# Altium PCB STM32F103最小系统板.PcbDoc (part 1 of 2) (continued)
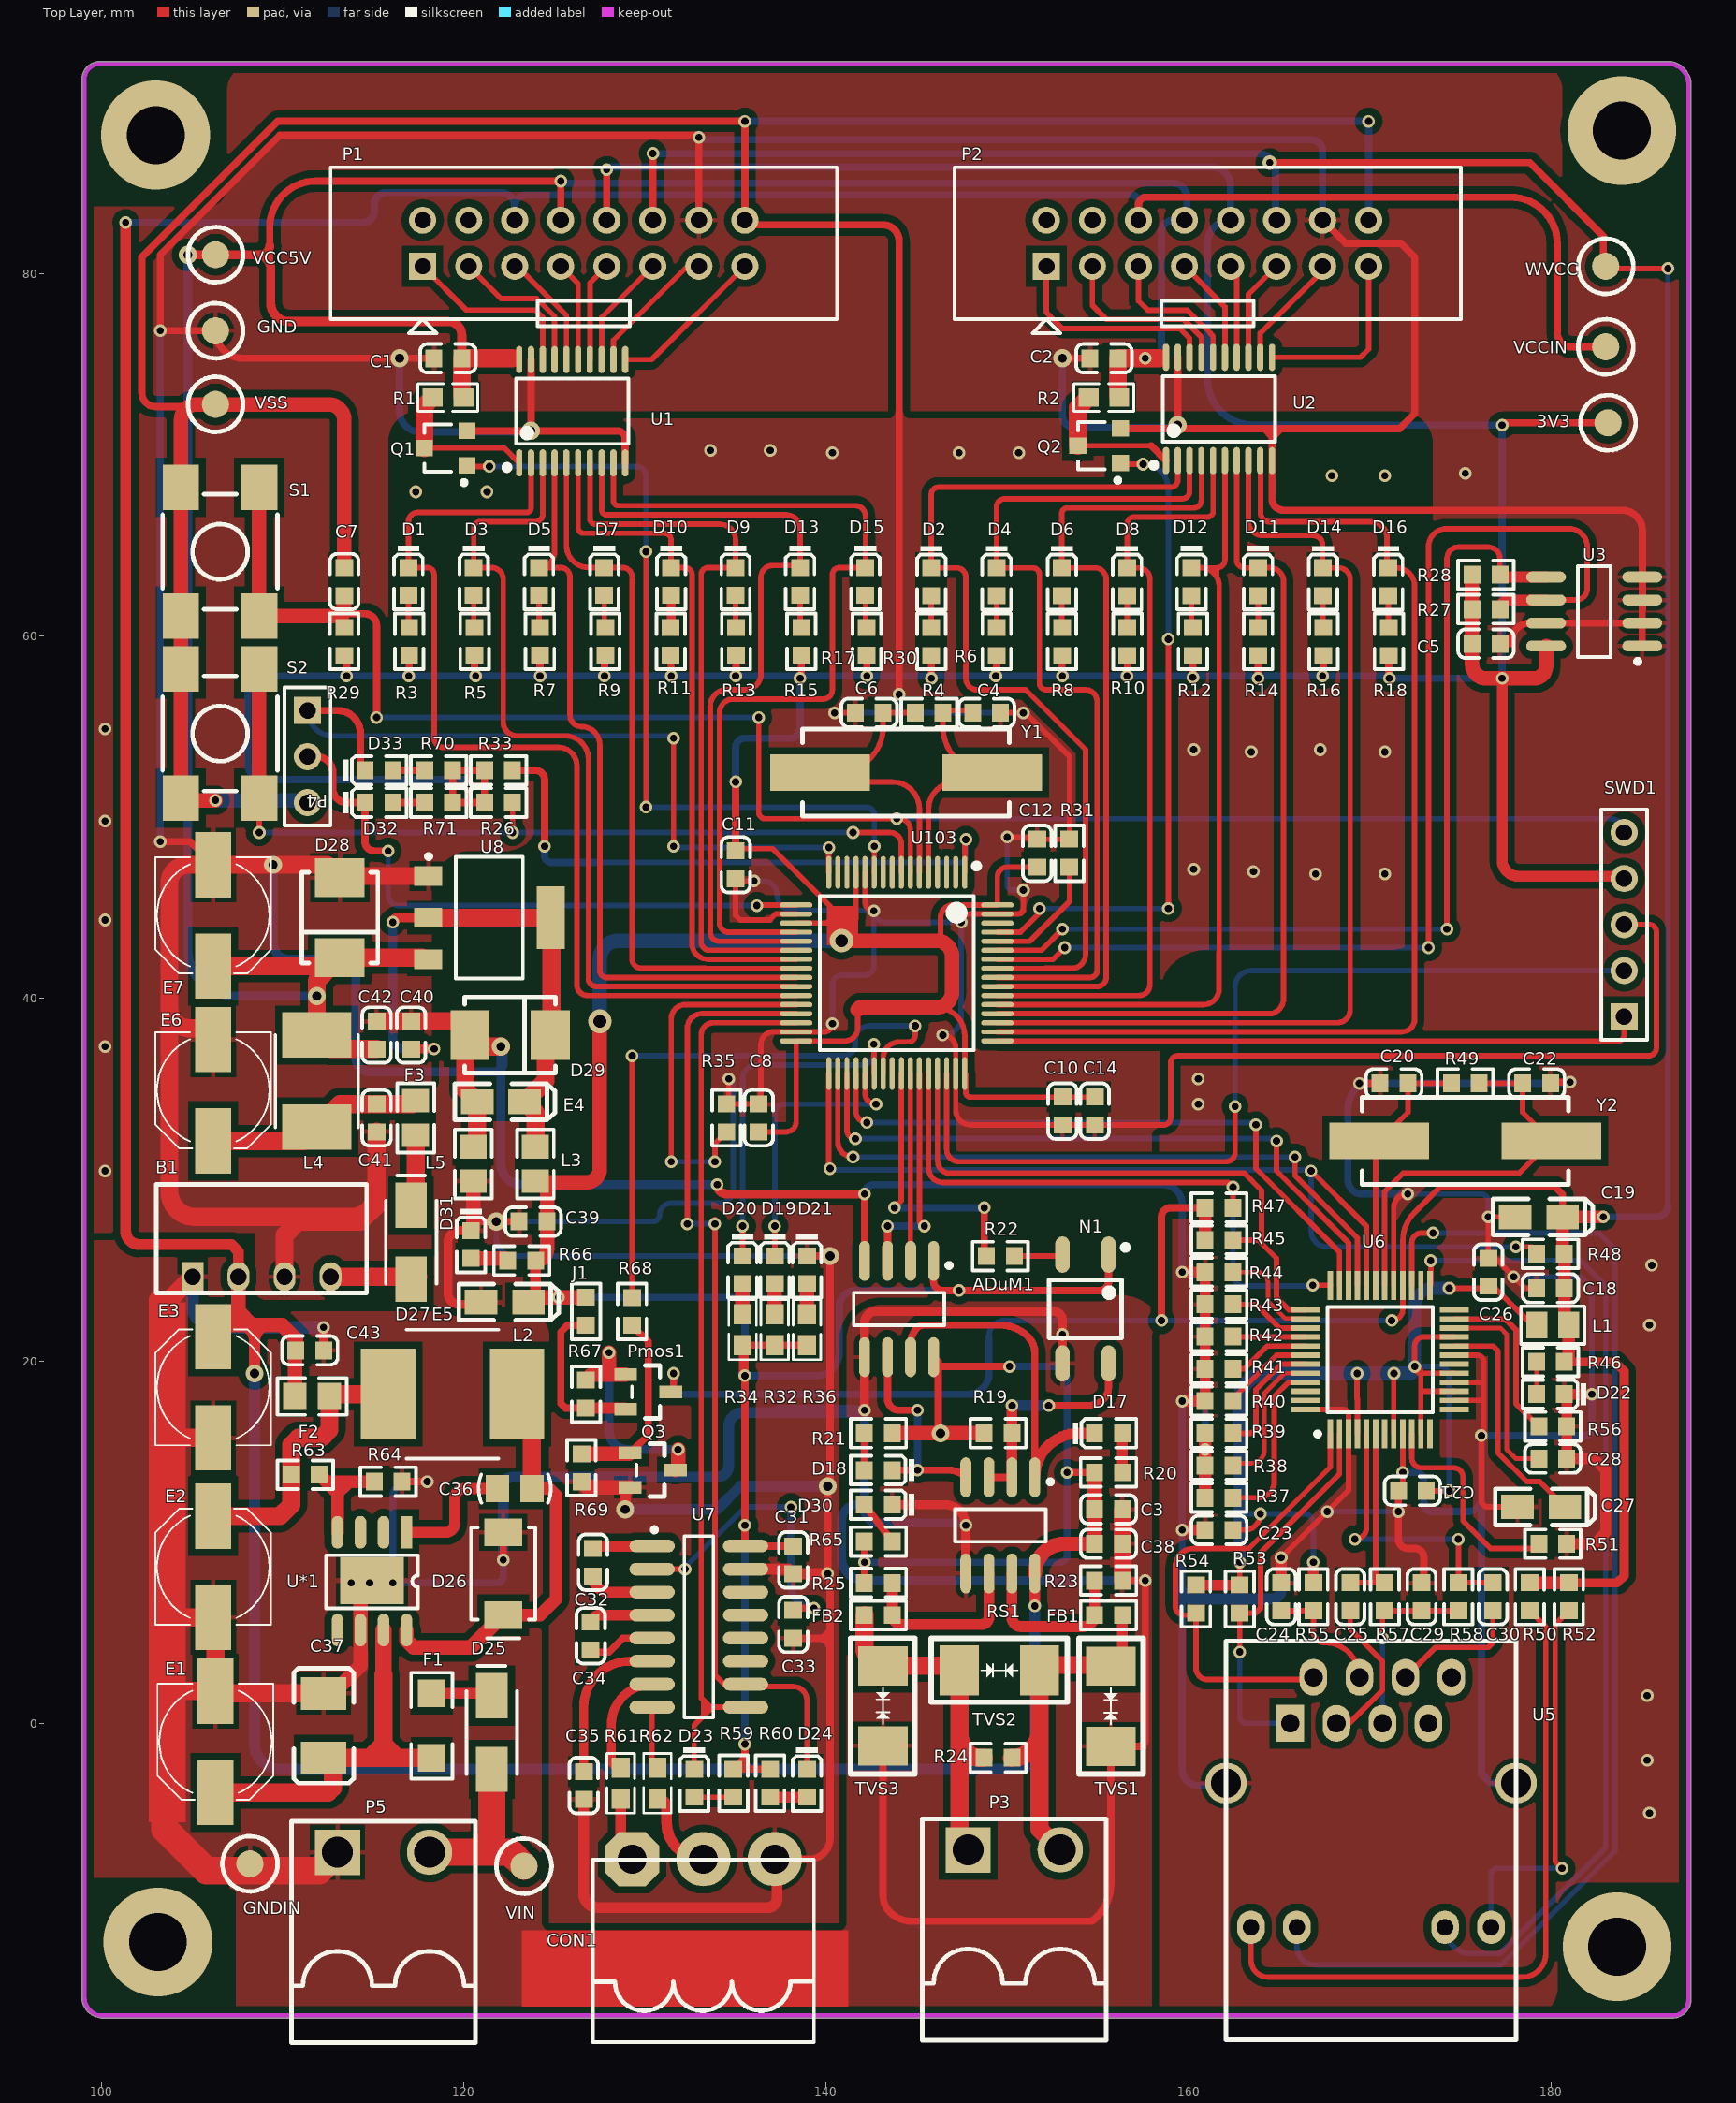
[diagram p0: Top Layer view]
## Footprints (in the part's own frame and the unit in brackets; to place one, negate y for a bottom-side part, rotate by r counter-clockwise, add the part's x,y. Pads: shape width x height; smd on the part's side, far side on the other; paste and mask are expansions set on the pad)
0603-1 [mm] "0603带丝印"
  rect 1.1x1 smd: 1(-0.85,0) 2(0.85,0)
  silkscreen extent -1.65,-0.76 1.65,0.76, body extent -0.8,-0.4 0.8,0.4, height 0.3
0805-1 [mm] "0805带丝印"
  rect 1.3x1.5 smd: 1(-0.95,0) 2(0.95,0)
  silkscreen extent -1.91,-1.02 1.91,1.02, body extent -1,-0.62 1,0.63, height 0.5
1206 [mil] "贴片元件"
  rect 60x60 smd: 1(-70,0) 2(70,0)
  silkscreen extent -115,-45 115,45, body extent -75,-35 75,35, height 39
B0505D-1WR2 [mm]
  rect 1.2x1.6 hole 0.9: 1(0,0)
  oval 1.2x1.6 hole 0.9: 2(2.54,0) 3(5.08,0) 4(7.62,0)
  silkscreen extent -1.99,-0.9 9.61,5.1
C-0805 [mm] "贴片电容"
  rect 1.3x1.5 smd: 1(-0.95,0) 2(0.95,0)
  silkscreen extent -2,-0.79 2,0.79, body extent -1,-0.6 1,0.6, height 0.95
C-1210 [mm] "贴片电容"
  rect 1.8x2.5 smd: 1(1.778,0) 2(-1.778,0)
  silkscreen extent -3.17,-1.65 3.17,1.65
C-RB-SD6 [mm] "贴片铝电解"
  rect 3.6x2 smd: 1(-2.794,0) 2(2.794,0)
  silkscreen extent -3.2,-3.2 3.2,3.2
CHECK-B [mm] "测试点"
  round 1.5 smd: 1(0,0)
  silkscreen extent -1.52,-1.52 1.52,1.52
D-SMA [mm] "贴片二极管"
  rect 2.5x1.75 smd: 1(-2.032,0) 2(2.032,0)
  silkscreen extent -2.29,-1.4 3.68,1.4
D-SMB [mil] "DO-214-AA/SMB;"
  rect 60x83 smd: 1(-90,0) 2(90,0)
  silkscreen extent -100,-70 140,70
DC3-16P-2.54mm [mm] "简易牛角座直"
  rect 1.5x1.5 hole 0.9: 1(8.89,1.27)
  round 1.5 hole 0.9: 2(8.89,-1.27) 3(6.35,1.27) 4(6.35,-1.27) 5(3.81,1.27) 6(3.81,-1.27) 7(1.27,1.27) 8(1.27,-1.27) 9(-1.27,1.27) 10(-1.27,-1.27) 11(-3.81,1.27) 12(-3.81,-1.27) 13(-6.35,1.27) 14(-6.35,-1.27) 15(-8.89,1.27) 16(-8.89,-1.27)
  silkscreen extent -13.97,-4.19 13.97,4.95
HDR1X5 [mm] "Connector; Header; 5 Position"
  rect 1.5x1.5 hole 0.9: 1(0,0)
  round 1.5 hole 0.9: 2(2.54,0) 3(5.08,0) 4(7.62,0) 5(10.16,0)
  silkscreen extent -1.27,-1.27 11.43,1.27
HDR3X1-2.54 [mm] "2.54单排针排座"
  rect 1.5x1.5 hole 0.9: 1(0,0)
  round 1.5 hole 0.9: 2(2.54,0) 3(5.08,0)
  silkscreen extent -1.27,-1.27 6.35,1.27, body extent -1.27,-1.27 6.35,1.27, height 8.54
HR911105A [mil]
  rect 80x60 hole 40: 1(-130,-490)
  oval 80x60 hole 40: 2(-230,-440) 3(-130,-390) 4(-230,-340) 5(-130,-290) 6(-230,-240) 7(-130,-190) 8(-230,-140)
  oval 72x60 hole 36: 9(312.91,-575.63) 10(312.91,-476) 11(312.91,-154.13) 12(312.91,-54)
  round 90 hole 65: 13(-0.08,-629.76) 14(-0.08,0.16)
  silkscreen extent -309,-630 557,0
L-SMD-3 [mm] "贴片电感3.8"
  rect 2.5x3.8 smd: 1(-2.54,0) 2(2.54,0)
  silkscreen extent -2.54,-2.29 2.54,2.29, body extent -2.54,-1.91 2.54,1.91, height 4
L-SMD-7 [mm] "贴片电感7*7"
  rect 3x5 smd: 1(-3.556,0) 2(3.556,0)
  silkscreen extent -2.54,-3.56 2.54,3.56, body extent -3.56,-3.56 3.56,3.56, height 4
LC-0603_C [mm]
  rect 0.93x0.98 smd: 1(-0.77,0) 2(0.77,0)
  silkscreen extent -1.53,-0.79 1.54,0.79, body extent -0.8,-0.4 0.8,0.4, height 0.3
LC-0603_L [mm]
  rect 0.93x0.98 smd: 1(-0.77,0) 2(0.77,0)
  silkscreen extent -1.53,-0.79 1.54,0.79, body extent -0.82,-0.41 0.83,0.41, height 0.46
LC-0603_LED_S1 [mm]
  rect 0.93x0.98 smd: A(0.77,0) K(-0.77,0)
  silkscreen extent -1.97,-0.79 1.54,0.79, body extent -0.8,-0.4 0.8,0.4, height 0.6
LC-0603_R [mm]
  rect 0.93x0.98 smd: 1(-0.77,0) 2(0.77,0)
  silkscreen extent -1.53,-0.79 1.54,0.79, body extent -0.85,-0.4 0.85,0.4, height 0.56
LC-0805_L [mm]
  rect 1.16x1.47 smd: 1(-0.875,0) 2(0.875,0)
  silkscreen extent -1.75,-1.03 1.75,1.04, body extent -1,-0.64 1,0.64, height 0.6
LC-CASE-A_3216 [mm]
  rect 1.8x1.35 smd: 1(1.31,0) 2(-1.31,0)
  silkscreen extent -2.54,-1 2.97,1, body extent -1.7,-0.84 1.7,0.84, height 1.71
LC-HC-49SMD [mm]
  rect 5.5x2 smd: 1(-4.75,0) 2(4.75,0)
  silkscreen extent -5.7,-2.4 5.7,2.4, body extent -6.7,-2.46 6.7,2.44, height 4
LC-LQFP-64_10x10x05P [mm]
  oval 0.28x1.8 smd mask+0.051: 1(-3.75,-5.55) 2(-3.25,-5.55) 3(-2.75,-5.55) 4(-2.25,-5.55) 5(-1.75,-5.55) 6(-1.25,-5.55) 7(-0.75,-5.55) 8(-0.25,-5.55) 9(0.25,-5.55) 10(0.75,-5.55) 11(1.25,-5.55) 12(1.75,-5.55) 13(2.25,-5.55) 14(2.75,-5.55) 15(3.25,-5.55) 16(3.75,-5.55) 33(3.75,5.55) 34(3.25,5.55) 35(2.75,5.55) 36(2.25,5.55) 37(1.75,5.55) 38(1.25,5.55) 39(0.75,5.55) 40(0.25,5.55) 41(-0.25,5.55) 42(-0.75,5.55) 43(-1.25,5.55) 44(-1.75,5.55) 45(-2.25,5.55) 46(-2.75,5.55) 47(-3.25,5.55) 48(-3.75,5.55)
  oval 1.8x0.28 smd mask+0.051: 17(5.55,-3.75) 18(5.55,-3.25) 19(5.55,-2.75) 20(5.55,-2.25) 21(5.55,-1.75) 22(5.55,-1.25) 23(5.55,-0.75) 24(5.55,-0.25) 25(5.55,0.25) 26(5.55,0.75) 27(5.55,1.25) 28(5.55,1.75) 29(5.55,2.25) 30(5.55,2.75) 31(5.55,3.25) 32(5.55,3.75) 49(-5.55,3.75) 50(-5.55,3.25) 51(-5.55,2.75) 52(-5.55,2.25) 53(-5.55,1.75) 54(-5.55,1.25) 55(-5.55,0.75) 56(-5.55,0.25) 57(-5.55,-0.25) 58(-5.55,-0.75) 59(-5.55,-1.25) 60(-5.55,-1.75) 61(-5.55,-2.25) 62(-5.55,-2.75) 63(-5.55,-3.25) 64(-5.55,-3.75)
  silkscreen extent -4.55,-6.05 4.25,4.25
LC-SMB(DO-214AA)_S1 [mm]
  rect 2.159x2.743 smd: 1(2.21,0) 2(-2.21,0)
  silkscreen extent -2.5,-2.1 2.5,2.1
lc-sop-4_P2.54 [mm]
  oval 2x0.8 smd: 1(-3,1.27) 2(-3,-1.27) 3(3,-1.27) 4(3,1.27)
  silkscreen extent -3.55,-2 1.6,2.35
LC-SOT-23(SOT-23-3) [mm]
  rect 1.25x0.7 smd: 1(1.25,-0.95) 2(1.25,0.95) 3(-1.25,0)
  silkscreen extent -0.65,-1.46 0.9,1.46, body extent -1.5,-1.5 1.5,1.5, height 1.3
LC-TSSOP-20 [mm]
  oval 0.35x1.5 smd: 1(-2.925,-2.85) 2(-2.275,-2.85) 3(-1.625,-2.85) 4(-0.975,-2.85) 5(-0.325,-2.85) 6(0.325,-2.85) 7(0.975,-2.85) 8(1.625,-2.85) 9(2.275,-2.85) 10(2.925,-2.85) 11(2.925,2.85) 12(2.275,2.85) 13(1.625,2.85) 14(0.975,2.85) 15(0.325,2.85) 16(-0.325,2.85) 17(-0.975,2.85) 18(-1.625,2.85) 19(-2.275,2.85) 20(-2.925,2.85)
  silkscreen extent -3.75,-3.25 3.1,1.8
LQFP48 [mm]
  rect 0.3x1.6 smd: 1(2.75,4.1) 2(2.25,4.1) 3(1.75,4.1) 4(1.25,4.1) 5(0.75,4.1) 6(0.25,4.1) 7(-0.25,4.1) 8(-0.75,4.1) 9(-1.25,4.1) 10(-1.75,4.1) 11(-2.25,4.1) 12(-2.75,4.1) 25(-2.75,-4.1) 26(-2.25,-4.1) 27(-1.75,-4.1) 28(-1.25,-4.1) 29(-0.75,-4.1) 30(-0.25,-4.1) 31(0.25,-4.1) 32(0.75,-4.1) 33(1.25,-4.1) 34(1.75,-4.1) 35(2.25,-4.1) 36(2.75,-4.1)
  rect 1.6x0.3 smd: 13(-4.1,2.75) 14(-4.1,2.25) 15(-4.1,1.75) 16(-4.1,1.25) 17(-4.1,0.75) 18(-4.1,0.25) 19(-4.1,-0.25) 20(-4.1,-0.75) 21(-4.1,-1.25) 22(-4.1,-1.75) 23(-4.1,-2.25) 24(-4.1,-2.75) 37(4.1,-2.75) 38(4.1,-2.25) 39(4.1,-1.75) 40(4.1,-1.25) 41(4.1,-0.75) 42(4.1,-0.25) 43(4.1,0.25) 44(4.1,0.75) 45(4.1,1.25) 46(4.1,1.75) 47(4.1,2.25) 48(4.1,2.75)
  silkscreen extent -2.9,-2.9 3.57,4.22
SOIC8 [mm]
  rect 1.8x0.65 smd: 1(0,0)
  oval 1.8x0.65 smd: 2(0,-1.27) 3(0,-2.54) 4(0,-3.81) 5(5.4,-3.81) 6(5.4,-2.54) 7(5.4,-1.27) 8(5.4,0)
  rect 2.6x3.51 smd: 9(2.667,-1.905)
  silkscreen extent 1.27,-4.44 4.19,0.64
SOIC-8 [mm]
  oval 2.2x0.6 smd: 1(-2.654,1.905) 2(-2.654,0.635) 3(-2.654,-0.635) 4(-2.654,-1.905) 5(2.654,-1.905) 6(2.654,-0.635) 7(2.654,0.635) 8(2.654,1.905)
  silkscreen extent -2.52,-2.5 0.9,2.88, body extent -3,-2.45 3,2.45, height 1.7
SOIC-16 [mm]
  oval 2.5x0.7 smd: 1(-2.577,4.445) 2(-2.577,3.175) 3(-2.577,1.905) 4(-2.577,0.635) 5(-2.577,-0.635) 6(-2.577,-1.905) 7(-2.577,-3.175) 8(-2.577,-4.445) 9(2.577,-4.445) 10(2.577,-3.175) 11(2.577,-1.905) 12(2.577,-0.635) 13(2.577,0.635) 14(2.577,1.905) 15(2.577,3.175) 16(2.577,4.445)
  silkscreen extent -2.57,-5 0.8,5.47, body extent -2.88,-4.92 2.92,4.88, height 1.75
SOT23-3 [mm]
  rect 0.9x0.95 smd: 1(-0.95,-1.175) 2(0.95,-1.175) 3(0,1.175)
  silkscreen extent -2.03,-1.14 1.3,1.18, body extent -1.45,-1.4 1.45,1.4, height 1.2
SOT223 [mm]
  rect 1.1x1.55 smd: 1(-2.3,-3.375) 2(0,-3.375) 3(2.3,-3.375)
  rect 3.45x1.55 smd: 4(0,3.375)
  silkscreen extent -3.5,-3.48 3.35,1.85, body extent -3.25,-3.48 3.25,3.48, height 1.7
SW_PB4_A1 [mm]
  rect 2.5x2 smd: 1(-3.556,2.159) 2(-3.556,-2.159) 3(3.556,-2.159) 4(3.556,2.159)
  silkscreen extent -3.17,-3.17 3.17,3.17, body extent -3.18,-3.18 3.18,3.18, height 6
TVS [mil]
  rect 85x107.99 smd: 1(0.98,0) 2(175,0)
  silkscreen extent -60,-69 235,70
VH3.96-W-3P [mm]
  oct 3x3 hole 1.6: 1(0,0)
  round 3 hole 1.6: 2(3.937,0) 3(7.874,0)
  silkscreen extent -2.16,-10.11 10.03,-0.03
WJ2EDGR508-2 [mm]
  rect 2.5x2.5 hole 1.7: 1(0,0)
  round 2.5 hole 1.7: 2(5.08,0)
  silkscreen extent -2.54,-10.5 7.62,1.7

## Part data
3V3 GND GNDIN VCC5V VCCIN VIN VSS WVCC: "测试点"
C1 C2 C4 C6 C7 C18 C20 C22 C38 C43: library part Cap, "Capacitor"
C3: library part CAP
C5 C8 C10 C11 C12 C14 C21 C23 C24 C25 C26 C28 C29 C30 C31 C32 C33 C34 C35 C36 C37 C39 C40 C41 C42: library part CAP, "Capacitor"
C19 C27: library part "Cap Pol3", "Polarized Capacitor (Surface Mount)"
CON1: "Connector"
D1 D2 D3 D4 D5 D6 D7 D8 D9 D10 D11 D12 D13 D14 D15 D16 D22: library part "0603 蓝灯", "发光二极管"
D17 D18 D19 D20 D21 D23 D24 D31 D32 D33: library part "0603 绿灯", "发光二极管"
D25 D27: library part Diode, "二极管"
D26: "稳压二极管"
D28 D29: library part ZENER3, "Zener Diode"
D30: library part "0603 红灯", "发光二极管"
E1 E2 E3 E4 E5 E6 E7: library part ELECTRO2, "Electrolytic Capacitor"
F1: "可恢复保险丝"
F2 F3: library part "Fuse 1", "Fuse"
FB1 FB2 R26 R27 R28 R29 R30 R37 R38 R39 R40 R41 R42 R43 R44 R45 R46 R47 R48 R49 R50 R51 R52 R53 R54 R55 R56 R57 R58 R61 R62 R66 R67 R70 R71: library part Res2, "Resistor"
J1 R23 R24 R25 R68 R69: library part RES
L1: library part Inductor, "Inductor"
L2 L3 L4 L5: "电感"
N1: library part ST188, "反射式光电传感器"
P1 P2 P4: "接插件"
P3 P5: "Header, 2-Pin"
Pmos1: library part N-MOS
Q1 Q2: library part NPN1, "贴片三极管"
Q3: library part NPN
R1 R2: "贴片电阻"
R3 R4 R5 R6 R7 R8 R9 R10 R11 R12 R13 R14 R15 R16 R17 R18 R65: library part "0603 1.5KΩ (1501) 1%", "贴片电阻"
R19 R20 R21 R22 R31 R35 R59 R60 R63 R64: library part RES2
R32 R33 R34 R36: library part R, "贴片电阻"
S1 S2: library part SW-, "微动开关"
SWD1: "Header, 5-Pin"
TVS1 TVS2 TVS3: library part TVS, "TVS"
U1 U2: library part 7
U3: library part AT2, "EEROM存储器"
U6: "W5500以太网芯片"
U7: library part MAX232, "+5V Powered, Multi-Channel RS-232 Driver/Receiver"
U8: library part ASM1, "3.3V稳压芯片"
U103: library part STM32F103RBT6
Y1 Y2: library part XTAL, "Crystal Oscillator"

## Via types
v1: diameter 0.7, hole 0.4, Top Layer to Bottom Layer, 192 vias
v2: diameter 1, hole 0.5, Top Layer to Bottom Layer, 14 vias
v3: diameter 6, hole 3.2, Top Layer to Bottom Layer, 4 vias
v4: diameter 1.3, hole 0.7, Top Layer to Bottom Layer, 2 vias
v5: diameter 0.8, hole 0.4, Top Layer to Bottom Layer, 1 vias

## Nets (pads, with @x,y where several pads share a name; then routed paths per layer and width w, separated by ;. In a path a pad name is that pad's centre, name@x,y a point inside that pad or via, vN(x,y) a via of type N, cw(c..) or ccw(c..) an arc to the next point about the centre after c; other vN are vias at no path point)
3V3: 3V3.1 ADuM1.1 C5.1 C8.2 C10.2 C11.2 C12.2 C14.2 C31.2 C39.2 E5.1 J1.2 L3.2 N1.1 P1.10 P2.10 R3.1 R4.1 R5.1 R6.1 R7.1 R8.1 R9.1 R10.1 R11.1 R12.1 R13.1 R14.1 R15.1 R16.1 R17.1 R18.1 R26.1 R27.1 R28.1 R29.2 R32.1 R33.2 R34.1 R36.2 R59.2 R60.1 R66.1 R70.1 R71.1 SWD1.4 U3.8 U7.16 U103.13 U103.19 U103.32 U103.48 U103.64 | length 429.4
  Top Layer w0.3: C11.2@135.001,48.014 135.247,48.26 137.033,48.26 140.208,45.085 140.208,44.323 140.081,44.196 ; C8.2@136.271,32.631 137.795,32.631 137.795,32.639 ccw(c137.795,33.185) 138.341,33.185 U103.32@138.341,37.652 141.03,37.652 ccw(c141.03,38.354) 141.732,38.354 141.732,39.37 ; U103.19@138.341,44.152 140.037,44.152 ; v4(140.843,43.18) 140.843,43.346 ccw(c140.037,43.346) 140.037,44.152 ; 141.605,43.18 141.605,44.346 ; U103.13@141.641,46.952 141.641,44.958 ; 146.072,39.497 cw(c146.072,37.928) 147.641,37.928 U103.48@147.641,35.852 cw(c147.641,35.792) 147.701,35.792 147.701,34.798 ccw(c147.947,34.798) 147.947,34.552 C10.2@153.035,34.552 C14.2@154.813,34.552 ; 146.072,43.18 ccw(c146.072,43.412) 146.304,43.412 146.304,44.45 cw(c147.006,44.45) 147.006,45.152 U103.64@149.441,45.152 149.441,46.698 cw(c149.979,46.698) 149.979,47.236 C12.2@151.638,47.236 ; 140.037,44.152 cw(c140.081,44.152) 140.081,44.196 ; 140.037,44.152 140.081,44.196 ; 140.081,44.196 141.351,44.196 ccw(c141.351,44.486) 141.605,44.346 ; 141.605,44.346 ccw(c141.351,44.486) 141.641,44.486 141.641,44.958 ; 141.605,44.346 141.605,44.922 cw(c141.641,44.922) 141.641,44.958
  Top Layer w0.4: R29.2@113.411,58.92 113.538,58.793 v1(113.538,57.785) ; v1@116.988,57.679 R3.1@116.988,58.928 ; v1@120.595,57.713 R5.1@120.595,58.928 ; v1@124.202,57.785 R7.1@124.202,58.928 ; v1(127.762,57.785) 127.762,58.882 R9.1@127.809,58.928 ; P1.10@127.889,82.931 cw(c127.889,83.058) 127.762,83.058 127.889,83.185 v1(127.889,85.725) ; R11.1@131.415,58.928 v1(131.445,57.785) ; C11.2@135.001,48.141 v1(135.001,51.943) ; v1@135.022,57.806 R13.1@135.022,58.928 ; v1(135.509,-1.143) 135.509,-1.897 ; R60.1@136.906,-2.532 136.017,-2.532 ; C31.2@138.168,9.779 U7.16@135.546,9.779 cw(c135.546,9.816) 135.509,9.816 v1(135.509,10.922) v1(135.509,19.177) ; v1@138.629,57.73 R15.1@138.629,58.928 ; R36.2@138.938,20.867 R32.1@137.16,20.867 R34.1@135.382,20.867 ; v1@142.236,57.785 R17.1@142.236,58.928 ; v1(145.796,57.658) R4.1@145.796,58.92 ; ADuM1.1@145.923,25.514 145.923,24.384 ccw(c146.431,24.384) 146.431,23.876 v1(147.32,23.876) 155.067,23.876 ccw(c155.067,24.384) 155.575,24.384 N1.1@155.575,25.86 ; v1(149.352,57.785) 149.403,57.836 R6.1@149.403,58.92 ; v1@153.01,57.81 R8.1@153.01,58.92 ; v1@156.616,57.81 R10.1@156.616,58.92 ; v1(160.223,57.709) R12.1@160.223,58.92 ; v1(163.83,57.658) R14.1@163.83,58.92 ; v1@167.437,57.836 R16.1@167.437,58.92 ; v1@171.044,57.683 R18.1@171.044,58.92 ; v1(177.292,71.628) cw(c177.419,71.628) 177.419,71.755 3V3.1@183.134,71.755 ; 119.388,51.689 R71.1@119.388,52.578 120.269,52.578 ; 119.388,51.689 R70.1@119.388,50.8 120.269,50.8 ; 119.388,51.689 v1(120.269,51.689) ; 120.269,50.8 R33.2@121.15,50.8 121.15,51.689 ; 120.269,50.8 v1(120.269,51.689) ; v1(120.269,51.689) 121.15,51.689 ; v1(120.269,51.689) 120.269,52.578 ; 120.269,52.578 R26.1@121.15,52.578 121.15,51.689 ; R34.1@135.382,20.867 cw(c135.382,20.74) 135.509,20.74 v1(135.509,19.177) ; R34.1@135.382,20.867 135.382,19.304 ccw(c135.509,19.304) v1(135.509,19.177) ; 135.509,-2.532 136.017,-2.532 ; 135.509,-2.532 135.509,-2.024 ; 135.509,-2.532 R59.2@134.874,-2.532 135.509,-1.897 ; 135.509,-2.024 ccw(c136.017,-2.024) 136.017,-2.532 ; 135.509,-2.024 135.509,-1.897
  Top Layer w0.6: E5.1@123.968,23.638 R66.1@123.968,25.527 ; v1(177.292,57.658) 177.292,47.625 ccw(c178.181,47.625) 178.181,46.736 183.896,46.736 cw(c183.896,46.609) SWD1.4@184.023,46.609
  Top Layer w0.8: E5.1@123.698,23.495 v1(125.222,23.495) J1.2@126.5,23.495 ; R66.1@123.968,25.527 ccw(c123.968,26.154) 124.595,26.154 C39.2@124.595,27.686 124.595,29.268 ccw(c123.952,29.268) L3.2@124.236,29.845 ; L3.2@124.363,29.718 L3.2@124.236,29.845 ; v4(127.508,38.735) 127.508,30.607 cw(c126.746,30.607) 126.746,29.845 L3.2@124.236,29.845 ; v4(140.843,43.18) 141.605,43.18 146.072,43.18 cw(c146.072,42.313) 146.939,42.313 146.939,40.364 cw(c146.072,40.364) 146.072,39.497 141.859,39.497 141.732,39.37 ; R28.1@175.633,63.373 C5.1@175.633,59.563 175.633,58.428 ccw(c176.403,58.428) 176.403,57.658 v1(177.292,57.658) 179.07,57.658 ccw(c179.07,58.306) 179.718,58.306 U3.8@179.718,59.436 ; L3.2@123.952,29.911 cw(c123.952,29.268) L3.2@124.236,29.845 ; L3.2@123.952,29.911 ccw(c124.018,29.911) L3.2@124.018,29.845 ; L3.2@123.952,29.911 ccw(c124.018,29.911) L3.2@124.018,29.845 ; L3.2@124.018,29.845 L3.2@124.236,29.845
  Bottom Layer w0.4: v1@113.411,57.912 cw(c113.411,57.785) v1(113.538,57.785) ; v1(120.269,51.689) ccw(c119.888,51.689) 119.888,52.07 108.966,52.07 cw(c108.966,52.959) 108.077,52.959 108.077,56.769 cw(c109.093,56.769) 109.093,57.785 v1(113.538,57.785) ; v1(125.222,23.495) 134.874,23.495 cw(c134.874,22.86) 135.509,22.86 v1(135.509,19.177) 139.446,19.177 ccw(c139.446,20.447) 140.716,20.447 140.716,22.987 cw(c141.605,22.987) 141.605,23.876 v1(147.32,23.876) ; v1(127.889,85.725) 127.889,85.749 128.004,85.864 161.278,85.864 cw(c161.278,84.836) 162.306,84.836 P2.10@162.306,82.931 ; v1(135.001,51.943) 135.001,53.848 cw(c135.509,53.848) 135.509,54.356 138.049,54.356 ccw(c138.049,54.864) 138.557,54.864 v1(138.557,57.658) ; v1(135.509,-1.143) v1(135.509,10.922) ; P2.10@162.306,82.55 P2.10@162.306,82.931 ; v1(113.538,57.785) v1(116.967,57.785) v1(120.65,57.785) v1(124.206,57.785) v1(127.762,57.785) v1(131.445,57.785) v1(135.001,57.785) v1(142.24,57.785) v1(149.352,57.785) v1(153.035,57.785) v1(156.591,57.785) v1(167.386,57.785) 170.942,57.785 v1(171.069,57.658) v1(177.292,57.658) v1(177.292,71.628) 163.576,71.628 cw(c163.576,74.168) 161.036,74.168 161.036,81.661 cw(c162.306,81.661) P2.10@162.306,82.931 ; v1(135.509,10.922) cw(c135.636,10.922) 135.636,11.049 ccw(c135.636,10.922) v1(135.509,10.922)
  Bottom Layer w0.8: v4(127.508,38.735) 127.508,42.164 cw(c128.524,42.164) 128.524,43.18 v4(140.843,43.18)
245DIRC1: Q1.1 U103.11 | length 44.5
  Top Layer w0.3: Q1.1@120.174,69.408 ccw(c120.24,69.408) 120.24,69.342 v1(121.412,69.342) ; v1(130.048,50.546) v1(130.048,64.643) ; U103.11@142.641,46.952 142.651,46.962 v1(142.651,48.387)
  Bottom Layer w0.3: v1(121.412,69.342) 129.54,69.342 cw(c129.54,68.834) 130.048,68.834 v1(130.048,64.643) ; v1(130.048,50.546) 142.24,50.546 cw(c142.24,50.135) 142.651,50.135 v1(142.651,48.387)
245DIRC2: Q2.1 U103.61 | length 36.9
  Top Layer w0.3: U103.61@149.441,43.652 150.713,43.652 151.765,44.704 v1(151.765,44.958) ; Q2.1@156.242,69.535 ccw(c156.308,69.535) 156.308,69.469 v1(157.48,69.469) ccw(c157.414,69.469) v1@157.414,69.535 ; v1(158.877,44.958) 158.877,59.563 158.75,59.69 v1(158.877,59.817)
  Bottom Layer w0.3: v1(151.765,44.958) v1(158.877,44.958) ; v1(157.48,69.469) cw(c157.48,68.072) 158.877,68.072 v1(158.877,59.817)
/INT: R47.2 U6.36 U103.44 | length 34.3
  Top Layer w0.3: U103.44@145.641,35.852 145.641,30.625 145.651,30.625 ccw(c146.431,30.625) 146.431,29.845 162.179,29.845 v1(162.441,29.583) R47.2@162.441,28.448 ; v1(166.842,24.166) U6.36@167.811,24.166
  Bottom Layer w0.3: v1(162.441,29.583) 162.441,24.757 ccw(c163.068,24.757) 163.068,24.13 166.806,24.13 ccw(c166.806,24.166) v1(166.842,24.166)
/RESET: R45.2 U6.37 U103.45 | length 33.6
  Top Layer w0.3: U103.45@146.141,35.852 146.141,31.014 146.151,31.014 ccw(c146.812,31.014) 146.812,30.353 163.068,30.353 164.02,29.4 164.02,26.86 ; R45.2@162.441,26.67 163.83,26.67 ; U6.37@166.461,22.816 165.525,22.816 164.846,23.495 164.846,25.654 164.02,26.479 ; 163.83,26.67 164.02,26.86 ; 163.83,26.67 164.02,26.479 ; 164.02,26.479 164.02,26.86
/SPI_SCS: R48.2 U6.32 U103.33 | length 55.9
  Top Layer w0.3: v1@140.141,30.48 U103.33@140.141,35.852 ; v1(166.751,30.48) 169.811,27.42 U6.32@169.811,24.166 ; v1(178.054,26.289) 178.808,26.289 cw(c178.808,25.908) R48.2@179.189,25.908
  Bottom Layer w0.3: v1@140.27,30.542 166.689,30.542 v1(166.751,30.48) 166.751,27.178 ccw(c167.64,27.178) 167.64,26.289 v1(178.054,26.289)
  other v1: 140.208,30.607
A3.3V: C21.2 C23.2 C26.1 L1.2 R53.1 R54.1 R55.1 U6.4 U6.8 U6.11 U6.15 U6.17 U6.21 | length 72.7
  Top Layer w0.3: C23.2@162.441,10.668 163.068,10.668 ccw(c163.068,11.557) v1(163.957,11.557) ; R53.1@162.814,7.628 v1(162.814,8.89) ; v1(169.291,19.304) 169.291,17.907 cw(c169.291,17.887) 169.311,17.887 U6.4@169.311,15.966 ; U6.8@171.311,15.966 v1@171.311,19.304 ; U6.11@172.811,15.966 172.811,18.288 ; C21.2@173.109,12.827 v1(174.371,12.827) ; v1(174.371,24.003) 176.919,24.003 178.951,21.971 L1.2@179.211,21.971 ; U6.15@174.661,18.316 172.839,18.316 ccw(c172.839,18.288) 172.811,18.288 ; U6.17@174.661,19.316 172.835,19.316 cw(c172.835,19.685) 172.811,19.317 ; U6.21@174.661,21.316 172.954,21.316 ccw(c172.954,20.828) 172.466,20.828 v1(172.466,19.685) ; v1(172.466,19.685) ccw(c172.835,19.685) 172.811,19.317 ; v1(172.466,19.685) cw(c172.466,19.34) 172.811,19.34 172.811,19.317 ; 172.811,18.288 172.811,19.317
  Top Layer w0.6: R54.1@160.401,7.628 R53.1@162.814,7.628 ; R55.1@166.878,7.755 v1(166.878,8.89)
  Bottom Layer w0.3: 162.814,11.557 v1(163.957,11.557) 166.37,11.557 cw(c166.37,11.049) 166.878,11.049 v1(166.878,8.89) ; v1(172.466,19.685) 173.863,19.685 cw(c173.863,19.177) 174.371,19.177 v1(174.371,12.827)
  Bottom Layer w0.7: v1(162.814,8.89) 162.814,11.557 162.814,16.606 ; v1(172.466,19.685) 172.466,22.987 cw(c173.482,22.987) 173.482,24.003 v1(174.371,24.003)
  Bottom Layer w0.8: 162.814,16.606 162.814,17.78 cw(c164.338,17.78) 164.338,19.304 172.085,19.304 ccw(c172.085,19.685) v1(172.466,19.685)
  other v1: 171.323,19.304
ACTLED: U5.10 U6.27 | length 69.2
  Top Layer w0.3: U6.27@172.311,24.166 172.311,26.515 cw(c172.847,26.515) 172.847,27.051 v1(173.482,27.051)
  Bottom Layer w0.3: U5.10@165.964,-11.25 165.964,-12.307 ccw(c166.992,-12.307) 166.992,-13.335 177.237,-13.335 183.515,-7.057 183.515,26.162 182.626,27.051 v1(173.482,27.051)
AT_SCL: R27.2 U3.6 U103.58 | length 64
  Top Layer w0.3: U103.58@149.441,42.152 151.871,42.152 151.875,42.156 152.519,42.156 v1(153.162,42.799) ; v1(173.228,42.799) 173.228,64.897 cw(c174.244,64.897) 174.244,65.913 ; 174.117,65.913 174.244,65.913 ; U3.6@179.718,61.976 181.356,61.976 ccw(c181.356,62.611) 181.991,62.611 181.991,64.897 ccw(c180.975,64.897) 180.975,65.913 174.244,65.913
  Top Layer w0.6: R27.2@177.173,61.468 cw(c177.681,61.468) 177.681,61.976 U3.6@179.718,61.976
  Bottom Layer w0.3: v1(153.162,42.799) v1(173.228,42.799)
AT_SDA: R28.2 U3.5 U103.59 | length 52.9
  Top Layer w0.3: U103.59@149.441,42.652 151.664,42.652 151.668,42.656 151.876,42.656 v1(153.035,43.815) ; v1(174.244,43.815) 174.244,64.262 cw(c174.879,64.262) 174.879,64.897 176.53,64.897 cw(c176.53,64.254) 177.173,64.254 R28.2@177.173,63.373
  Top Layer w0.5: R28.2@177.173,63.373 ccw(c177.3,63.373) R28.2@177.3,63.246
  Top Layer w0.6: R28.2@177.3,63.246 U3.5@179.718,63.246
  Bottom Layer w0.3: v1(153.035,43.815) v1(174.244,43.815)
BOOT0: R31.2 U103.60 | length 6.8
  Top Layer w0.3: U103.60@149.441,43.152 151.229,43.152 153.416,45.339 R31.2@153.416,47.236
BOOT1: R35.2 U103.28 | length 19.5
  Top Layer w0.3: v1(131.445,30.988) 131.445,38.862 cw(c132.235,38.862) 132.235,39.652 U103.28@138.341,39.652 ; v1(133.858,30.988) 133.858,31.996 R35.2@134.493,32.631
  Bottom Layer w0.3: v1(131.445,30.988) v1(133.858,30.988)
EGND: 
GND: ADuM1.4 B1.3 C1.1 C2.1 C5.2 C18.1 C19.2 C20.1 C21.1 C22.1 C23.1 C24.2 C26.2 C27.2 C28.2 C29.1 C40.1 C41.1 C42.1 D22.K D28.1 D29.1 E4.2 E6.2 E7.2 GND.1 L5.1 P1.14 P2.14 Q1.2 Q2.2 R40.1 R41.1 R42.1 R43.1 R44.1 R51.2 R56.2 U1.10 U1.19 U2.10 U2.19 U3.1 U3.2 U3.3 U3.4 U3.7 U5.13 U5.14 U6.3 U6.9 U6.14 U6.16 U6.19 U6.29 U6.48 U8.1 | length 584.3
  Top Layer w0.3: v1(165.1,9.144) v1(167.64,11.684) 168.811,12.855 U6.3@168.811,15.966 168.811,17.018 ccw(c168.513,17.018) 168.513,17.316 U6.48@166.461,17.316 ; U6.29@171.311,24.166 171.311,28.436 cw(c172.085,28.436) v1(172.085,29.21) ; C21.1@171.569,12.827 ccw(c171.569,13.069) 171.811,13.069 v1(171.811,13.843) U6.9@171.811,15.966 ; U6.14@174.661,17.816 176.058,17.816 ccw(c176.058,18.034) 176.276,18.034 ; U6.16@174.661,18.816 176.169,18.816 ccw(c176.169,18.923) 176.276,18.923 ; U6.19@174.661,20.316 175.899,20.316 cw(c175.899,19.939) 176.276,19.939 176.276,18.034 ; C19.2@178.014,27.94 v1(176.53,27.94) C26.2@176.53,25.662 176.903,25.662 v1(177.927,24.638) 178.562,24.003 C18.1@179.189,24.003 ; C27.2@178.141,11.938 176.403,11.938 176.149,12.192 v1(176.149,15.875) ccw(c176.149,16.002) 176.276,16.002 176.276,18.034 ; C28.2@180.729,14.732 D22.K@180.729,18.161
  Top Layer w0.4: v1(103.251,48.641) 104.902,48.641 E7.2@106.172,47.371 ; C1.1@118.356,75.311 v2(116.459,75.311) 107.823,75.311 cw(c107.823,76.835) GND.1@106.299,76.835 v1(103.251,76.835) 103.251,81.026 109.855,87.63 v1@132.842,87.63 ; Q1.2@120.174,71.308 123.124,71.308 ; U1.19@123.709,75.24 123.709,71.893 ; U1.10@128.909,69.54 128.909,70.866 ccw(c128.467,70.866) 128.467,71.308 124.294,71.308 ; P1.14@132.969,82.931 132.969,87.63 v1@132.842,87.63 ; v1(132.969,87.503) ccw(c132.842,87.503) v1@132.842,87.63 ; ADuM1.4@142.113,25.514 v1(142.113,29.21) ; v2(153.035,75.311) C2.1@154.551,75.311 ; Q2.2@156.242,71.435 v2@159.004,71.435 ; U2.19@159.396,75.367 v2@159.396,71.827 ; P2.14@167.386,82.931 168.656,81.661 171.704,81.661 172.466,80.899 172.466,72.263 171.638,71.435 165.1,71.435 ; v1(169.418,35.306) C20.1@170.553,35.306 ; C21.1@171.569,12.827 v1(171.569,11.684) 171.569,10.168 ccw(c172.085,10.168) 172.085,9.652 172.466,9.652 cw(c172.466,9.144) 172.974,9.144 172.974,7.882 cw(c172.847,7.882) C29.1@172.847,7.755 ; C5.2@177.173,59.563 177.673,59.563 ccw(c177.673,59.69) 177.8,59.69 cw(c178.816,59.69) 178.816,60.706 U3.7@179.718,60.706 U3.2@185.026,60.706 ; C22.1@179.967,35.433 180.031,35.369 v1(181.038,35.369) ; U3.1@185.026,59.436 U3.2@185.026,60.706 ; U3.4@185.026,63.246 U3.3@185.026,61.976 U3.2@185.026,60.706 ; 185.039,61.468 185.039,65.786 ccw(c183.896,65.786) 183.896,66.929 165.227,66.929 cw(c165.227,67.56) 164.596,67.56 U2.10@164.596,69.667 164.596,70.989 ; 123.124,71.308 ccw(c123.124,71.893) 123.709,71.893 ; 123.124,71.308 v2(123.709,71.308) ; v2(123.709,71.308) 124.294,71.308 ; v2(123.709,71.308) 123.709,71.893 ; 123.709,71.893 ccw(c124.294,71.893) 124.294,71.308 ; v2@159.004,71.435 v2@159.788,71.435 ; v2@159.004,71.435 v2@159.12,71.551 ; v2@159.12,71.551 159.396,71.551 v2@159.396,71.827 ; v2@159.12,71.551 v2@159.396,71.827 ; v2@159.396,71.827 v2@159.788,71.435 ; v2@159.788,71.435 164.15,71.435 ; 164.15,71.435 164.596,70.989 ; 164.15,71.435 165.1,71.435 ; 164.596,70.989 164.654,70.989 165.1,71.435
  Top Layer w0.5: v1(133.985,29.718) ccw(c134.493,29.718) 134.493,29.21 v1(142.113,29.21)
  Top Layer w0.6: v1(159.639,10.668) C23.1@160.901,10.668 ; v1(159.639,17.78) R40.1@160.901,17.78 R41.1@160.901,19.558 R42.1@160.901,21.336 R43.1@160.901,23.114 R44.1@160.901,24.892 v1(159.639,24.892) ; C24.2@165.1,7.755 v1(165.1,9.144) ; R51.2@180.856,9.906 182.372,9.906 183.007,10.541 183.007,13.97 182.372,14.605 C28.2@180.856,14.605 180.856,18.034 D22.K@180.729,18.161 v1(182.245,18.161)
  Top Layer w1: E6.2@106.172,37.719 ccw(c105.537,37.719) 105.537,38.354 104.834,38.354 cw(c104.834,39.429) 103.759,39.429 ; B1.3@110.109,24.638 110.109,26.924 110.871,27.686 114.3,27.686 115.189,28.575 C41.1@115.189,32.631 ; D28.1@113.157,46.66 112.446,47.371 v2(109.474,47.371) E7.2@106.172,47.371 104.775,47.371 ccw(c104.775,46.355) 103.759,46.355 103.759,39.429 ; D28.1@113.247,46.75 U8.1@117.783,46.75 ; 115.189,29.337 cw(c113.792,29.337) 113.792,27.94 105.156,27.94 cw(c105.156,29.337) 103.759,29.337 103.759,39.429 ; C42.1@115.189,38.743 C40.1@117.094,38.743 D29.1@119.575,38.743 ; D29.1@120.091,37.973 120.091,34.936 E4.2@120.737,34.29 L5.1@120.737,32.025 ; D29.1@120.345,37.973 cw(c120.345,38.049) 120.269,38.049 120.98,37.338 v2(122.047,37.338)
  Bottom Layer w0.3: v1(167.64,11.684) v1(171.569,11.684) ; v1(172.085,29.21) 176.096,29.21 cw(c176.096,28.776) 176.403,29.083 cw(c176.096,28.776) 176.53,28.776 v1(176.53,27.94) ; v1(177.927,24.638) 181.61,24.638 182.245,24.003 v1(182.245,18.161)
  Bottom Layer w0.4: v1(103.251,48.641) v1(103.251,76.835) ; v2(116.459,75.311) 116.459,72.39 ccw(c117.602,72.39) 117.602,71.247 123.648,71.247 ccw(c123.648,71.308) v2(123.709,71.308) ; v1@133.199,87.376 166.751,87.376 cw(c166.751,86.741) 167.386,86.741 P2.14@167.386,82.931 ; v1(142.113,29.21) cw(c142.621,29.21) 142.621,29.718 158.564,29.718 cw(c158.564,28.643) 159.639,28.643 v1(159.639,24.892) ; v2(153.035,75.311) 153.035,72.136 ccw(c153.67,72.136) 153.67,71.501 159.258,71.501 ccw(c159.258,71.628) v2(159.385,71.628) ; v1(159.639,17.78) v1(159.639,10.668) 159.639,7.366 159.639,-2.54 ccw(c160.528,-2.54) 160.528,-3.429 161.929,-3.429 ccw(c161.929,-3.3) U5.13@162.058,-3.3 U5.13@161.832,-3.3 ; v1(171.811,13.843) 172.54,13.843 cw(c172.54,13.409) 172.974,13.409 172.974,12.065 ccw(c173.355,12.065) 173.355,11.684 175.387,11.684 ccw(c175.387,12.446) 176.149,12.446 ; v1(172.085,29.21) 169.545,29.21 cw(c169.545,29.972) 168.783,29.972 168.783,33.773 cw(c170.951,33.773) v1(169.418,35.306) 180.975,35.306 ccw(c180.975,35.433) 181.102,35.433 v1(181.038,35.369) ; U5.14@178.058,-3.3 176.655,-3.3 176.149,-2.794 176.149,12.446 ; v1(182.245,18.161) 182.245,16.256 cw(c181.864,16.256) 181.864,15.875 v1(176.149,15.875) 176.149,12.446
  Bottom Layer w0.5: v2(109.474,47.371) 109.474,43.053 ccw(c110.363,43.053) 110.363,42.164 113.411,42.164 cw(c113.411,41.529) 114.046,41.529 114.046,36.703 ccw(c114.808,36.703) 114.808,35.941 121.666,35.941 ccw(c121.666,36.449) 122.047,36.113 ; v1(133.985,29.718) 123.19,29.718 cw(c123.19,30.861) 122.047,30.861 122.047,36.113 ; 122.047,36.113 ccw(c121.666,36.449) 122.174,36.449 122.174,37.211 ccw(c122.047,37.211) v2(122.047,37.338) 122.047,36.113
  Bottom Layer w0.6: 159.639,7.366 ccw(c160.147,7.366) 160.147,6.858 164.592,6.858 ccw(c164.592,7.366) 165.1,7.366 v1(165.1,9.144)
  other v1: 185.42,-4.953 185.293,-2.032 185.293,1.524 185.42,21.971 185.547,25.273 100.203,30.48 160.528,34.163 160.528,35.56 100.203,37.338 100.203,44.323 100.203,49.784 100.203,54.864 175.26,68.961
GNDIN: ADuM1.5 B1.1 C3.1 C37.1 C38.2 C43.2 D26.1 D30.K E1.2 E2.2 E3.2 GNDIN.1 N1.3 P5.1 R23.1 R64.1 RS1.5 TVS1.2 TVS3.1 U*1.6 U*1.9 | length 211.2
  Top Layer w0.4: U*1.9@114.935,7.874 v1(114.808,7.747) v1(116.078,7.747) ; R64.1@116.594,13.335 v1(117.983,13.335) ; v1(122.174,9.017) D26.1@122.174,10.541 ; TVS3.1@143.129,-1.245 143.129,-9.494 ccw(c144.43,-9.494) 143.51,-10.414 ccw(c144.736,-9.188) 144.736,-10.922 154.506,-10.922 ccw(c154.506,-10.488) 154.813,-10.795 154.958,-10.65 ccw(c153.162,-8.854) 155.702,-8.854 TVS1.2@155.702,-1.27 157.226,-1.27 ; R23.1@156.345,7.874 v1(157.607,7.874) 157.607,-0.889 cw(c157.226,-0.889) 157.226,-1.27 ; 157.502,-1.27 157.226,-1.27
  Top Layer w0.5: C43.2@112.276,20.574 v1@112.276,21.844 ; v1(142.113,17.272) ADuM1.5@142.113,20.206 142.113,22.098 cw(c142.748,22.098) 142.748,22.733 152.527,22.733 cw(c152.527,22.225) 153.035,22.225 v1(153.035,21.463) N1.3@153.035,19.86 ; D30.K@143.645,12.065 146.558,12.065 cw(c146.558,10.922) v1(147.701,10.922) RS1.5@147.701,8.268
  Top Layer w0.8: C37.1@112.776,1.651 114.3,3.175 U*1.6@114.3,5.141 U*1.9@114.3,7.239
  Top Layer w1: 103.124,21.463 103.124,23.368 103.759,23.368 B1.1@105.029,24.638 ; 103.505,1.651 103.632,1.778 E1.2@106.299,1.778 E2.2@106.299,5.715 ; 103.632,5.207 104.267,5.842 E2.2@106.172,5.842 ; 104.013,15.748 E3.2@106.172,15.748 ; E1.2@106.426,1.651 C37.1@112.268,1.651 C37.1@112.776,1.651 ; R23.1@156.345,7.874 C38.2@156.345,9.906 C3.1@156.345,11.811
  Top Layer w1.5: 103.505,-3.937 103.505,-5.842 105.791,-8.128 112.014,-8.128 P5.1@113.03,-7.112
  Bottom Layer w0.4: v1(113.792,7.747) v1(114.808,7.747) v1(116.078,7.747) ; v1(117.983,13.335) 116.967,13.335 ccw(c116.967,12.446) 116.078,12.446 v1(116.078,7.747) ; v1(122.174,9.017) 122.174,8.128 cw(c121.793,8.128) 121.793,7.747 v1(116.078,7.747)
  Bottom Layer w0.5: 142.113,12.319 cw(c141.859,12.319) 141.859,12.065 141.732,12.065 ccw(c141.732,11.176) 140.843,11.176 140.843,9.144 ccw(c142.113,9.144) 142.113,7.874 v1(157.607,7.874) ; v1(142.113,17.272) 142.113,11.811 ccw(c142.875,11.811) 142.875,11.049 147.574,11.049 cw(c147.574,10.922) v1(147.701,10.922)
  Bottom Layer w0.6: v1(122.174,9.017) 122.174,13.081 cw(c122.682,13.081) 122.682,13.589 133.985,13.589 ccw(c133.985,14.224) 134.62,14.224 134.62,16.383 cw(c135.382,16.383) 135.382,17.145 141.986,17.145 ccw(c141.986,17.272) v1(142.113,17.272) 137.414,17.272
  Bottom Layer w0.7: B1.1@105.029,24.638 105.029,23.114 ccw(c106.299,23.114) 106.299,21.844 v1(112.268,21.844)
IN_OUT1: D1.K U1.2 U103.27 | length 56.1
  Top Layer w0.3: U1.2@123.709,69.54 123.709,67.067 cw(c123.444,67.067) 123.444,66.802 117.455,66.802 ccw(c117.455,66.294) 116.947,66.294 D1.K@116.947,63.77 117.967,63.77 cw(c117.967,63.373) 118.364,63.373 118.364,54.356 ccw(c118.872,54.356) 118.872,53.848 125.222,53.848 cw(c125.222,52.832) 126.238,52.832 126.238,40.757 ccw(c126.843,40.757) 126.843,40.152 U103.27@138.341,40.152
IN_OUT2: D3.K U1.3 U103.26 | length 48.8
  Top Layer w0.3: U1.3@124.359,69.54 124.359,66.701 cw(c123.952,66.701) 123.952,66.294 120.904,66.294 ccw(c120.904,65.939) 120.549,65.939 D3.K@120.549,63.77 121.523,63.77 cw(c121.523,63.119) 122.174,63.119 122.174,55.245 ccw(c122.936,55.245) 122.936,54.483 125.603,54.483 cw(c125.603,53.213) 126.873,53.213 126.873,41.103 ccw(c127.324,41.103) 127.324,40.652 U103.26@138.341,40.652
IN_OUT3: D5.K U1.4 U103.25 | length 42
  Top Layer w0.3: U1.4@125.009,69.54 125.009,64.629 cw(c124.15,64.629) D5.K@124.15,63.77 125.333,63.77 cw(c125.333,63.246) 125.857,63.246 125.857,55.626 ccw(c126.492,55.626) 126.492,54.991 cw(c126.492,53.975) 127.508,53.975 127.508,41.529 ccw(c127.889,41.529) 127.834,41.152 U103.25@138.341,41.152
IN_OUT4: D7.K U1.5 U103.24 | length 39.7
  Top Layer w0.3: U1.5@125.659,69.54 125.659,65.006 ccw(c126.895,65.006) 126.895,63.77 D7.K@127.752,63.77 128.762,63.77 cw(c128.762,63.246) 129.286,63.246 ; 129.286,63.119 129.286,42.164 ccw(c129.794,42.164) 129.794,41.656 133.35,41.656 ; 133.092,41.652 U103.24@138.341,41.652
IN_OUT5: D10.K U1.6 U103.23 | length 39
  Top Layer w0.3: U1.6@126.309,69.54 126.309,65.961 ccw(c126.611,65.961) 126.611,65.659 131.064,65.659 cw(c131.064,65.282) 131.441,65.282 D10.K@131.441,63.77 132.207,63.77 cw(c132.207,63.389) 132.588,63.389 132.588,43.059 ; 132.588,43.434 132.588,43.04 ccw(c133.476,43.04) 133.476,42.152 U103.23@138.341,42.152
IN_OUT6: D9.K U1.7 U103.22 | length 41.2
  Top Layer w0.3: U1.7@126.959,69.54 126.959,66.462 ccw(c127.254,66.462) 127.254,66.167 134.112,66.167 cw(c134.112,65.282) 134.997,65.282 D9.K@134.997,63.77 133.495,63.77 ccw(c133.495,63.373) 133.098,63.373 ; 133.096,63.373 133.096,44.45 133.096,43.119 ccw(c133.563,43.119) 133.563,42.652 U103.22@138.341,42.652
IN_OUT7: D13.K U1.8 U103.21 | length 45.5
  Top Layer w0.3: U1.8@127.609,69.54 127.609,66.955 ccw(c127.889,66.955) 127.889,66.675 137.795,66.675 cw(c137.795,65.913) 138.557,65.913 D13.K@138.557,63.77 ccw(c138.446,63.77) 138.446,63.881 137.033,63.881 ccw(c137.033,63.246) 136.398,63.246 136.398,57.912 cw(c135.509,57.912) 135.509,57.023 134.493,57.023 ccw(c134.493,56.134) 133.604,56.134 133.604,43.632 ccw(c134.084,43.632) 134.084,43.152 U103.21@138.341,43.152
IN_OUT8: D15.K U1.9 U103.20 | length 50.8
  Top Layer w0.3: U1.9@128.259,69.54 128.259,67.448 ccw(c128.524,67.448) 128.524,67.183 141.605,67.183 cw(c141.605,66.629) 142.159,66.629 D15.K@142.159,63.77 140.732,63.77 ccw(c140.732,63.373) 140.335,63.373 140.335,57.023 cw(c139.827,57.023) 139.827,56.515 134.874,56.515 ccw(c134.874,55.753) 134.112,55.753 134.112,44.145 ccw(c134.605,44.145) 134.605,43.652 U103.20@138.341,43.652
IN_OUT9: D2.K U2.2 U103.57 | length 51.9
  Top Layer w0.3: U103.57@149.441,41.652 152.082,41.652 152.082,41.656 153.543,41.656 ccw(c153.543,42.418) 154.305,42.418 154.305,53.721 151.003,57.023 148.336,57.023 cw(c148.336,57.658) 147.701,57.658 147.701,63.246 ccw(c147.193,63.246) 147.193,63.754 D2.K@145.796,63.754 145.796,67.818 cw(c146.177,67.818) 146.177,68.199 159.004,68.199 ccw(c159.004,68.591) 159.396,68.591 U2.2@159.396,69.667
IN_OUT10: D4.K U2.3 U103.56 | length 49.1
  Top Layer w0.3: U103.56@149.441,41.152 154.563,41.152 ccw(c154.563,41.529) 154.94,41.529 154.94,56.388 ccw(c154.305,56.388) 154.305,57.023 152.146,57.023 cw(c152.146,57.404) 151.765,57.404 151.765,63.373 ccw(c151.384,63.373) 151.384,63.754 D4.K@149.398,63.754 149.398,67.102 cw(c149.86,67.102) 149.86,67.564 159.639,67.564 ccw(c159.639,67.971) 160.046,67.971 U2.3@160.046,69.667
IN_OUT11: D6.K U2.4 U103.55 | length 44.6
  Top Layer w0.3: U103.55@149.441,40.652 151.511,40.652 ; 151.765,40.652 151.511,40.652 ; U2.4@160.696,69.667 160.696,67.478 cw(c160.274,67.478) 160.274,67.056 153.289,67.056 ccw(c153.289,66.766) 152.999,66.766 D6.K@152.999,63.754 154.813,63.754 cw(c154.813,63.119) 155.448,63.119 155.448,41.16 cw(c154.94,41.16) 154.94,40.652 151.511,40.652
IN_OUT12: D8.K U2.5 U103.54 | length 43.1
  Top Layer w0.3: U103.54@149.441,40.152 157.246,40.152 ccw(c157.246,40.767) 157.861,40.767 157.861,42.692 157.861,63.119 ccw(c157.226,63.119) 157.226,63.754 D8.K@156.601,63.754 156.601,66.177 cw(c156.98,66.177) 156.98,66.556 161.044,66.556 ccw(c161.044,66.858) 161.346,66.858 U2.5@161.346,69.667